# Altium PCB Calipso V2.0 REV2.0 (new origin).PcbDoc (part 1 of 5) (continued)
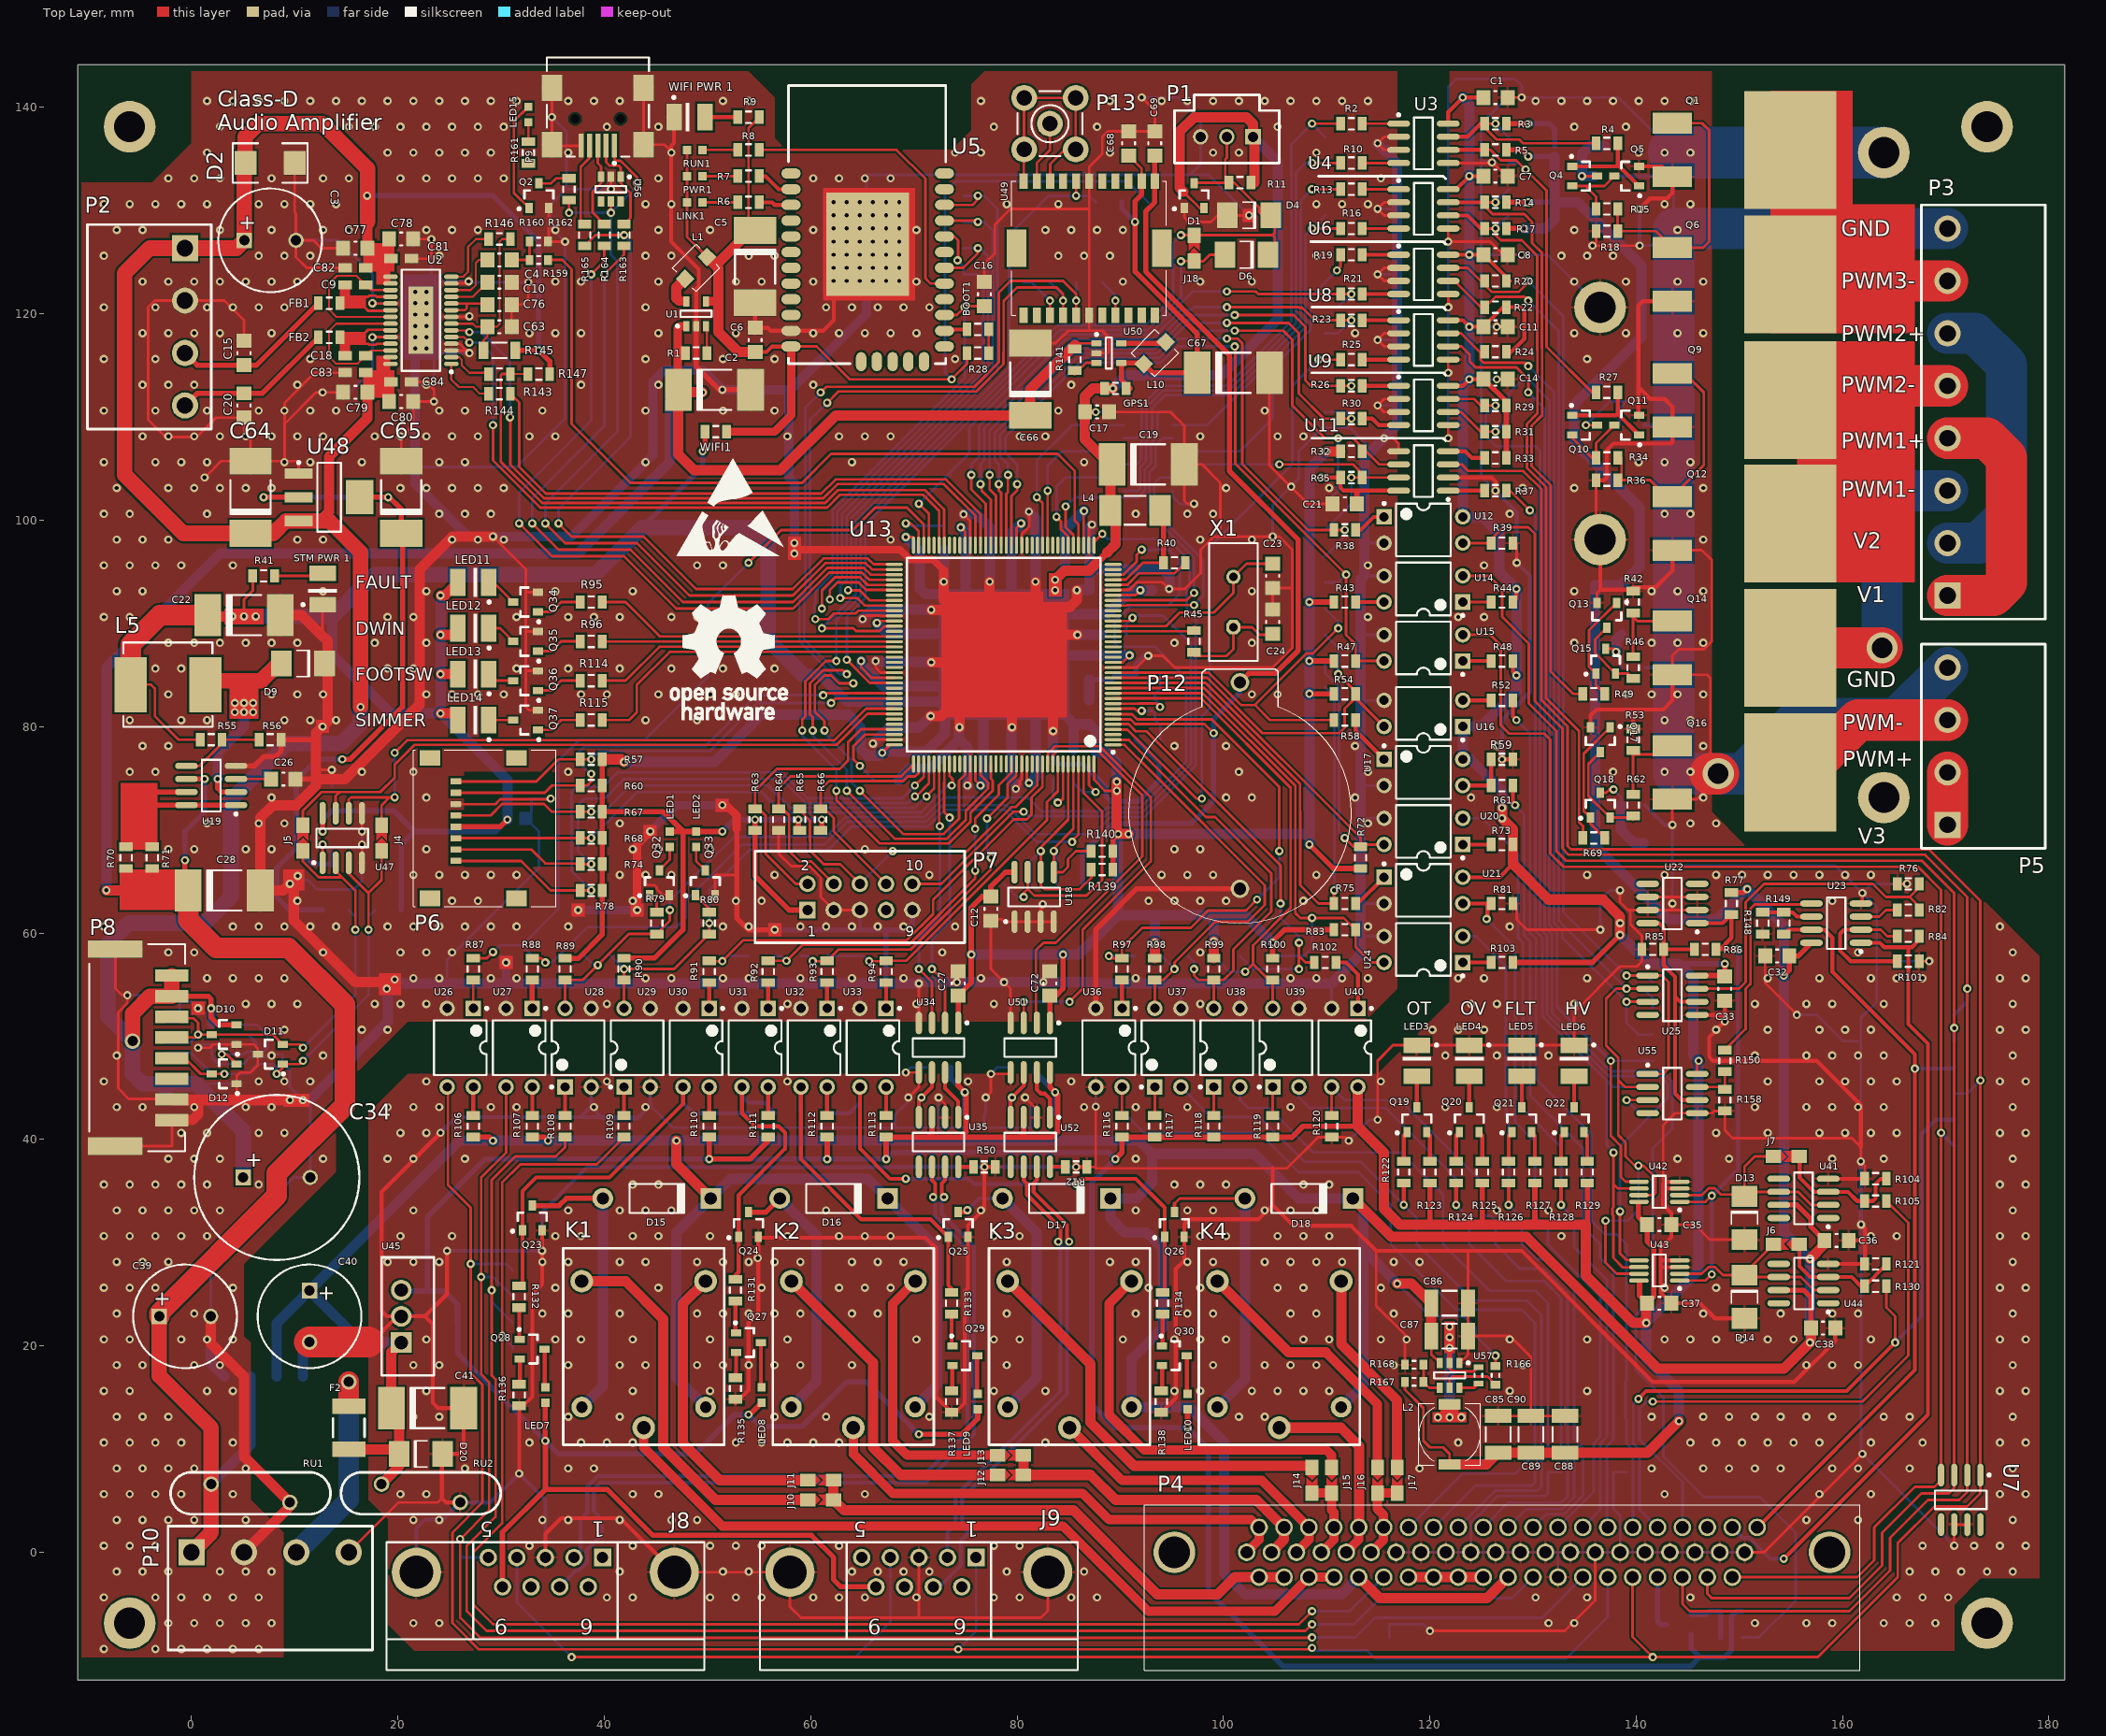
[diagram p0: Top Layer view]
## Components (designator, comment, footprint, x,y, rotation, side; value= is the part's Value field where it differs from the comment) (continued)
D10 "BAT54S" SOT23 3.175,50.165 r180 top
D11 "PESD5V0" SOT23 7.62,48.26 r180 top
D12 "BAT54S" SOT23 3.175,46.355 r180 top
D13 "SMBJ5.0CA" DO-214AS 150.495,32.385 r270 top
D14 "SMBJ5.0CA" DO-214AS 150.495,24.765 r270 top
D15 "Diode 1N4007" DO-41 45.085,34.29 r0 top
D16 "Diode 1N4007" DO-41 62.23,34.29 r0 top
D17 "Diode 1N4007" DO-41 83.82,34.29 r0 top
D18 "Diode 1N4007" DO-41 107.315,34.29 r0 top
D20 "SMBJ5.0CA" DO-214AS 22.225,9.525 r0 top
D21 "BAT54S" SOT23 3.175,50.165 r0 bottom
D22 "PESD5V0" SOT23 7.62,48.26 r0 bottom
D23 "BAT54S" SOT23 3.175,46.355 r180 bottom
F2 "Fuse" PTC1812 15.24,12.065 r90 top
FB1 "Ferrite" RES0805 13.335,121.031 r180 top
FB2 "Ferrite" RES0805 13.335,117.729 r180 top
GPS1 "ChipRes" RES0805 89.535,112.776 r180 top
J4 "Jumper" ? 18.415,69.215 r90 top net-tie
J5 "Jumper" ? 10.795,69.215 r90 top net-tie
J6 "Jumper" ? 154.559,29.845 r180 top net-tie
J7 "Jumper" ? 154.559,38.354 r0 top net-tie
J8 "D Connector 9" DSUB1.385-2H9F 34.29,-11.43 r180 top
J9 "D Connector 9" DSUB1.385-2H9F 70.485,-11.43 r180 top
J10 "Jumper" ? 60.96,5.08 r0 top net-tie
J11 "Jumper" ? 60.96,6.985 r0 top net-tie
J12 "Jumper" ? 79.375,7.493 r0 top net-tie
J13 "Jumper" ? 79.375,9.398 r0 top net-tie
J14 "Jumper" ? 108.585,6.985 r270 top net-tie
J15 "Jumper" ? 110.49,6.985 r270 top net-tie
J16 "Jumper" ? 114.935,6.985 r270 top net-tie
J17 "Jumper" ? 116.84,6.985 r270 top net-tie
J18 "Jumper" ? 97.155,126.365 r90 top net-tie
K1 "Relay 1 pole" G5LA 43.815,12.065 r90 top
K2 "Relay 1 pole" G5LA 64.135,12.065 r90 top
K3 "Relay 1 pole" G5LA 85.09,12.065 r90 top
K4 "Relay 1 pole" G5LA 105.41,12.065 r90 top
L1 "Inductance" CDRH2D14 48.895,124.46 r180 top
L2 "Inductance" CDRH5D28RHP 121.92,11.43 r90 top
L4 "Inductance" CM45 91.44,100.965 r0 top
L5 "Inductance" IHPL-3232 -2.286,84.074 r0 top
L6 "Inductance" CM45 134.493,136.271 r0 bottom
L7 "Inductance" CM45 139.065,113.919 r90 bottom
L8 "Inductance" CM45 140.716,66.294 r270 bottom
L9 "Inductance" CM45 138.557,91.313 r90 bottom
L10 "Inductance" CDRH2D14 93.345,116.205 r0 top
LED1 "LED 0603" "LED 0603" 46.355,69.088 r90 top
LED2 "LED 0603" "LED 0603" 48.895,69.088 r90 top
LED3 "LED 0603" PLCC-2 118.745,47.625 r270 top
LED4 "LED 0603" PLCC-2 123.825,47.625 r270 top
LED5 "LED 0603" PLCC-2 128.905,47.625 r270 top
LED6 "LED 0603" PLCC-2 133.985,47.625 r270 top
LED7 "LED 0603" "LED 0603" 34.29,15.24 r270 top
LED8 "LED 0603" "LED 0603" 55.245,15.24 r270 top
LED9 "LED 0603" "LED 0603" 76.2,14.605 r270 top
LED10 "LED 0603" "LED 0603" 96.52,14.605 r270 top
LED11 "LED 0603" PLCC-2 27.305,93.98 r180 top
LED12 "LED 0603" PLCC-2 27.305,89.535 r180 top
LED13 "LED 0603" PLCC-2 27.305,85.09 r180 top
LED14 "LED 0603" PLCC-2 27.305,80.645 r180 top
LED15 "LED 0603" "LED 0603" 32.639,139.319 r270 top
LINK1 "LED 0603" "LED 0603" 48.768,130.81 r180 top
P1 "Header 3 Latch" "HEADER 3 LATCH" 100.33,137.16 r180 top
P2 "Terminal Block 4x5.08mm" "Socket 4x5.08" -0.635,118.745 r0 top
P3 "Terminal Block 8x5.08mm" "SOCKET 8x5.08" 170.18,110.49 r180 top
P4 "DHR-62M" DHR-62M 127,0 r180 top
P5 "Terminal Block 4x5.08mm" "Socket 4x5.08" 170.18,78.105 r180 top
P6 "Micro SD Card Connector" "WR-CRD SD MICRO" 31.496,76.962 r270 top
P7 "IDC-10MS (JTAG connector)" IDC-10MS(MR) 64.77,63.5 r0 top
P8 "FPC_Socket" "MOLEX HEADER 8 2MM PITCH" -1.905,48.895 r270 top
P9 "mini-USB" USB/SM0.8-6H5 39.37,144.145 r90 top
P10 "Terminal Block 4x5.08mm" "Socket 4x5.08" 7.62,0 r90 top
P11 "FPC_Socket" "MOLEX FPC/FFC 10PIN" -5.08,48.895 r90 bottom
P12 "BH810" BH810 101.6,74.295 r180 top
P13 "SMB" SMB_V-RJ45 83.185,138.43 r90 top
PWR1 "LED 0603" "LED 0603" 48.768,133.35 r180 top
Q1 "IRL640SPBF" TO-263AB 154.94,135.89 r270 top
Q2 "BC847B" SOT23 33.655,131.445 r90 top
Q4 "BC847" SOT23 135.001,133.35 r0 top
Q5 "BC857" SOT23 139.065,133.35 r180 top
Q6 "IRL640SPBF" TO-263AB 154.94,123.825 r270 top
Q9 "IRL640SPBF" TO-263AB 154.94,111.633 r270 top
Q10 "BC847" SOT23 135.001,109.22 r0 top
Q11 "BC857" SOT23 139.065,109.22 r180 top
Q12 "IRL640SPBF" TO-263AB 154.94,99.695 r270 top
Q13 "BC857" SOT23 137.16,90.805 r270 top
Q14 "IRL640SPBF" TO-263AB 154.94,87.63 r270 top
Q15 "BC847" SOT23 137.033,86.36 r90 top
Q16 "IRL640SPBF" TO-263AB 154.94,75.565 r270 top
Q17 "BC857" SOT23 136.525,78.74 r270 top
Q18 "BC847" SOT23 136.525,72.39 r90 top
Q19 "BC857" SOT23 118.745,41.91 r90 top
Q20 "BC857" SOT23 123.825,41.91 r90 top
Q21 "BC857" SOT23 128.905,41.91 r90 top
Q22 "BC857" SOT23 133.985,41.91 r90 top
Q23 "BC847" SOT23 33.02,32.385 r90 top
Q24 "BC847" SOT23 53.975,31.75 r90 top
Q25 "BC847" SOT23 74.295,31.75 r90 top
Q26 "BC847" SOT23 95.25,31.75 r90 top
Q27 "BC847" SOT23 53.975,20.32 r0 top
Q28 "BC847" SOT23 33.02,19.685 r0 top
Q29 "BC847" SOT23 74.93,19.05 r0 top
Q30 "BC847" SOT23 95.25,19.05 r0 top
Q31 "BC857" SOT23 144.145,-6.985 r180 bottom
Q32 "BC847" SOT23 45.339,64.897 r90 top
Q33 "BC847" SOT23 49.784,64.897 r90 top
Q34 "BC847" SOT23 32.385,92.075 r180 top
Q35 "BC847" SOT23 32.385,88.265 r180 top
Q36 "BC847" SOT23 32.385,84.455 r180 top
Q37 "BC847" SOT23 32.385,80.645 r180 top
R1 "RES0805 10K 1%" RES0805 48.895,116.205 r180 top
R2 "RES0805 330R 1%" RES0805 112.395,138.43 r0 top
R3 "RES0805 1K 1%" RES0805 126.365,138.43 r180 top
R4 "RES0805 1K 1%" RES0805 137.16,136.525 r0 top
R5 "RES0805 1K 1%" RES0805 126.365,135.89 r0 top
R6 "RES0805 510R 1%" RES0805 53.975,130.81 r180 top
R7 "RES0805 510R 1%" RES0805 53.975,133.35 r180 top
R8 "RES0805 510R 1%" RES0805 53.975,135.89 r180 top
R9 "RES0805 1K 1%" RES0805 53.975,139.065 r180 top
R10 "RES0805 330R 1%" RES0805 112.395,134.62 r0 top
R11 "RES0805 4K7 1%" RES0805 101.6,132.715 r0 top
R12 "RES0805 1K 1%" RES0805 85.725,37.338 r0 top
R13 "RES0805 330R 1%" RES0805 112.395,132.08 r0 top
R14 "RES0805 1K 1%" RES0805 126.365,130.81 r0 top
R15 "RES0805 1K 1%" RES0805 137.16,130.175 r180 top
R16 "RES0805 330R 1%" RES0805 112.395,128.27 r0 top
R17 "RES0805 1K 1%" RES0805 126.365,128.27 r180 top
R18 "RES0805 10K 1%" RES0805 137.16,128.016 r0 top
R19 "RES0805 330R 1%" RES0805 112.395,125.73 r0 top
R20 "RES0805 510R 1%" RES0805 126.365,123.19 r0 top
R21 "RES0805 330R 1%" RES0805 112.395,121.92 r0 top
R22 "RES0805 510R 1%" RES0805 126.365,120.65 r0 top
R23 "RES0805 330R 1%" RES0805 112.395,119.38 r0 top
R24 "RES0805 510R 1%" RES0805 126.365,116.332 r0 top
R25 "RES0805 330R 1%" RES0805 112.395,115.57 r0 top
R26 "RES0805 330R 1%" RES0805 112.395,113.03 r0 top
R27 "RES0805 1K 1%" RES0805 137.16,112.395 r180 top
R28 "RES0805 4K7 1%" RES0805 76.2,116.205 r180 top
R29 "RES0805 510R 1%" RES0805 126.365,111.125 r0 top
R30 "RES0805 330R 1%" RES0805 112.395,109.855 r0 top
R31 "RES0805 510R 1%" RES0805 126.365,108.585 r0 top
R32 "RES0805 510R 1%" RES0805 112.395,106.68 r0 top
R33 "RES0805 470R 1%" RES0805 126.365,106.045 r180 top
R34 "RES0805 1K 1%" RES0805 137.16,106.045 r180 top
R35 "RES0805 510R 1%" RES0805 112.395,104.14 r180 top
R36 "RES0805 10K 1%" RES0805 137.16,103.886 r0 top
R37 "RES0805 470R 1%" RES0805 126.365,102.87 r0 top
R38 "RES0805 100R 1%" RES0805 111.76,99.06 r0 top
R39 "RES0805 10K 1%" RES0805 127,97.79 r180 top
R40 "RES0805 220R 1%" RES0805 95.25,95.885 r180 top
R41 "RES0805 1K 1%" RES0805 6.985,94.615 r180 top
R42 "RES0805 10K 1%" RES0805 139.7,92.075 r270 top
R43 "RES0805 1K 1%" RES0805 111.76,92.075 r180 top
R44 "RES0805 1K 1%" RES0805 127,92.075 r0 top
R45 "RES0805 220R 1%" RES0805 97.155,88.265 r270 top
R46 "RES0805 1K 1%" RES0805 139.7,85.725 r270 top
R47 "RES0805 1K 1%" RES0805 111.76,86.36 r180 top
R48 "RES0805 510R 1%" RES0805 127,86.36 r0 top
R49 "RES0805 1K 1%" RES0805 135.89,83.185 r180 top
R50 "RES0805 1K 1%" RES0805 76.835,37.338 r0 top
R51 "RES0805 120R 1%" RES0805 38.735,3.175 r0 bottom
R52 "RES0805 220R 1%" RES0805 127,82.55 r0 top
R53 "RES0805 10K 1%" RES0805 139.7,78.74 r270 top
R54 "RES0805 1K 1%" RES0805 111.76,83.185 r180 top
R55 "RES0805 18K 1%" RES0805 1.905,78.74 r180 top
R56 "RES0805 11K 1%" RES0805 7.62,78.74 r180 top
R57 "RES0805 10K 1%" RES0805 38.735,76.835 r0 top
R58 "RES0805 100R 1%" RES0805 111.76,80.645 r0 top
R59 "RES0805 4K7 1%" RES0805 127,76.835 r0 top
R60 "RES0805 10K 1%" RES0805 38.735,74.295 r0 top
R61 "RES0805 100R 1%" RES0805 127,74.295 r0 top
R62 "RES0805 1K 1%" RES0805 139.7,72.39 r270 top
R63 "RES0805 10K 1%" RES0805 54.61,70.993 r90 top
R64 "RES0805 10K 1%" RES0805 56.896,70.993 r90 top
R65 "RES0805 10K 1%" RES0805 58.928,70.993 r90 top
R66 "RES0805 10K 1%" RES0805 60.96,70.993 r90 top
R67 "RES0805 10K 1%" RES0805 38.735,71.755 r0 top
R68 "RES0805 10K 1%" RES0805 38.735,69.215 r0 top
R69 "RES0805 1K 1%" RES0805 135.89,69.215 r0 top
R70 "RES0805 1R2 1%" RES0805 -6.35,67.31 r90 top
R71 "RES0805 1R2 1%" RES0805 -3.81,67.31 r90 top
R72 "RES0805 1K 1%" RES0805 113.284,67.31 r270 top
R73 "RES0805 220R 1%" RES0805 127,68.58 r0 top
R74 "RES0805 10K 1%" RES0805 38.735,66.675 r0 top
R75 "RES0805 100R 1%" RES0805 111.76,62.865 r0 top
R76 "RES0805 47K 1%" RES0805 166.37,64.77 r0 top
R77 "RES0805 1K 1%" RES0805 149.225,62.865 r90 top
R78 "RES0805 10K 1%" RES0805 38.735,64.135 r0 top
R79 "RES0805 1K 1%" RES0805 45.085,60.96 r90 top
R80 "RES0805 1K 1%" RES0805 50.165,60.96 r90 top
R81 "RES0805 4K7 1%" RES0805 127,62.865 r180 top
R82 "RES0805 5K1 1%" RES0805 166.37,62.23 r180 top
R83 "RES0805 1K 1%" RES0805 111.76,60.325 r180 top
R84 "RES0805 10K 1%" RES0805 166.37,59.69 r0 top
R85 "RES0805 5K1 1%" RES0805 141.605,58.42 r0 top
R86 "RES0805 5K1 1%" RES0805 146.685,58.42 r0 top
R87 "RES0805 330R 1%" RES0805 27.305,56.515 r270 top
R88 "RES0805 330R 1%" RES0805 33.021,56.515 r270 top
R89 "RES0805 510R 1%" RES0805 36.195,56.515 r90 top
R90 "RES0805 510R 1%" RES0805 41.911,56.515 r90 top
R91 "RES0805 100R 1%" RES0805 50.166,56.261 r270 top
R92 "RES0805 100R 1%" RES0805 55.881,56.261 r270 top
R93 "RES0805 100R 1%" RES0805 61.596,56.261 r270 top
R94 "RES0805 100R 1%" RES0805 67.311,56.261 r270 top
R95 "RES0805 1K 1%" RES0805 38.735,92.075 r180 top
R96 "RES0805 1K 1%" RES0805 38.735,88.265 r180 top
R97 "RES0805 100R 1%" RES0805 90.17,56.515 r270 top
R98 "RES0805 1K 1%" RES0805 93.345,56.515 r90 top
R99 "RES0805 1K 1%" RES0805 99.06,56.515 r90 top
R100 "RES0805 1K 1%" RES0805 104.775,56.515 r90 top
R101 "RES0805 3K3 1%" RES0805 166.37,57.277 r0 top
R102 "RES0805 100R 1%" RES0805 109.855,57.15 r0 top
R103 "RES0805 220R 1%" RES0805 127,57.15 r0 top
R104 "RES0805 10K 1%" RES0805 163.195,36.195 r180 top
R105 "RES0805 10K 1%" RES0805 163.195,34.036 r180 top
R106 "RES0805 1K 1%" RES0805 27.305,41.275 r270 top
R107 "ChipRes" RES0805 33.021,41.275 r270 top
R108 "RES0805 100R 1%" RES0805 36.195,41.275 r90 top
R109 "RES0805 100R 1%" RES0805 41.911,41.275 r90 top
R110 "RES0805 510R 1%" RES0805 50.165,41.275 r270 top
R111 "RES0805 510R 1%" RES0805 55.88,41.275 r270 top
R112 "RES0805 510R 1%" RES0805 61.595,41.275 r270 top
R113 "RES0805 510R 1%" RES0805 67.31,41.275 r270 top
R114 "RES0805 1K 1%" RES0805 38.735,84.455 r180 top
R115 "RES0805 1K 1%" RES0805 38.735,80.645 r180 top
R116 "RES0805 1K 1%" RES0805 90.17,41.275 r270 top
R117 "RES0805 220R 1%" RES0805 93.345,41.275 r270 top
R118 "RES0805 1K 1%" RES0805 99.06,41.275 r270 top
R119 "RES0805 220R 1%" RES0805 104.775,41.275 r270 top
R120 "RES0805 4K7 1%" RES0805 110.49,41.275 r90 top
R121 "RES0805 10K 1%" RES0805 163.195,27.94 r180 top
R122 "RES0805 1K 1%" RES0805 117.475,36.83 r90 top
R123 "RES0805 510R 1%" RES0805 120.015,36.83 r270 top
R124 "RES0805 1K 1%" RES0805 122.555,36.83 r90 top
R125 "RES0805 510R 1%" RES0805 125.095,36.83 r270 top
R126 "RES0805 1K 1%" RES0805 127.635,36.83 r90 top
R127 "RES0805 510R 1%" RES0805 130.175,36.83 r270 top
R128 "RES0805 1K 1%" RES0805 132.715,36.83 r90 top
R129 "RES0805 510R 1%" RES0805 135.255,36.83 r270 top
R130 "RES0805 10K 1%" RES0805 163.195,25.781 r180 top
R131 "RES0805 1K 1%" RES0805 52.705,25.4 r90 top
R132 "RES0805 1K 1%" RES0805 31.75,24.765 r90 top
R133 "RES0805 1K 1%" RES0805 73.66,24.13 r90 top
R134 "RES0805 1K 1%" RES0805 94.107,24.13 r90 top
R135 "RES0805 220R 1%" RES0805 52.705,15.875 r90 top
R136 "RES0805 220R 1%" RES0805 31.75,15.24 r90 top
R137 "RES0805 220R 1%" RES0805 73.66,14.605 r90 top
R138 "RES0805 220R 1%" RES0805 93.98,14.605 r90 top
R139 "RES0805 10K 1%" RES0805 88.234,66.155 r180 top
R140 "RES0805 10K 1%" RES0805 88.234,67.933 r180 top
R141 "RES0805 10K 1%" RES0805 85.598,115.57 r90 top
R142 "RES0805 120R 1%" RES0805 74.295,1.905 r0 bottom
R143 "RES0805 1K 1%" RES0805 29.845,114.173 r180 top
R144 "RES0805 1K 1%" RES0805 29.845,112.268 r180 top
R145 "RES1206 10R 1%" RES1206 29.845,116.459 r180 top
R146 "RES0805 100K 1%" RES0805 29.845,127.254 r180 top
R147 "RES0805 100K 1%" RES0805 33.655,114.173 r180 top
R148 "RES0805 3K3 1%" RES0805 152.273,60.96 r270 top
R149 "RES0805 10K 1%" RES0805 154.305,60.96 r270 top
R150 "RES0805 5K1 1%" RES0805 148.59,47.625 r90 top
R151 "RES0805 10K 1%" RES0805 93.091,91.821 r270 bottom
R152 "RES0805 10K 1%" RES0805 85.49,76.395 r270 bottom
R153 "RES0805 10K 1%" RES0805 83.49,76.395 r270 bottom
R154 "RES0805 100R 1%" RES0805 130.175,33.655 r270 bottom
R155 "RES0805 100R 1%" RES0805 125.095,33.655 r270 bottom
R156 "RES0805 10K 1%" RES0805 149.225,-5.715 r0 bottom
R157 "RES0805 1K 1%" RES0805 149.225,-8.255 r180 bottom
R158 "RES0805 47K 1%" RES0805 148.59,43.815 r90 top
R159 "RES0603 10K 1%" RES0603 33.655,125.222 r180 top
R160 "RES0603 10K 1%" RES0603 33.655,127 r0 top
R161 "ChipRes 330R 1%" RES0805 32.639,135.636 r90 top
R162 "ChipRes 47K 1%" RES0805 36.576,132.08 r270 top
R163 "ChipRes" RES0805 41.91,127.635 r90 top
R164 "ChipRes" RES0805 40.005,127.635 r90 top
R165 "ChipRes" RES0805 38.1,127.635 r90 top
R166 "ChipRes 47K 1%" RES0603 126.365,17.145 r90 top
R167 "ChipRes 33K2 1%" RES0603 118.491,16.51 r180 top
R168 "ChipRes 10K 1%" RES0603 118.491,18.161 r0 top
RU1 "Varistor S14F25" S14K25 5.715,5.715 r180 top
RU2 "Varistor S14F25" S14K25 22.225,5.715 r180 top
RUN1 "LED 0603" "LED 0603" 48.768,135.89 r180 top
"STM PWR 1" "LED" PLCC-2 12.7,93.345 r90 top
TP1 "Test Point 5x2" PG-1.5-13.5-4P-2.54PH 53.976,57.785 r270 bottom
TP2 "Test Point 5x2" PG-1.5-13.5-4P-2.54PH 53.976,42.545 r270 bottom
TP3 "Test Point 5x2" PG-1.5-13.5-4P-2.54PH 31.115,27.305 r180 bottom
TP4 "Test Point 5x2" PG-1.5-13.5-4P-2.54PH 33.021,57.785 r270 bottom
TP5 "Test Point 5x2" PG-1.5-13.5-6P-2.54PH 91.44,57.785 r270 bottom
TP6 "Test Point 5x2" PG-1.5-13.5-4P-2.54PH 109.855,91.44 r180 bottom
TP7 "Test Point 5x2" PG-1.5-13.5-6P-2.54PH 170.815,52.07 r180 bottom
TP8 "Test Point 5x2" PG-1.5-13.5-6P-2.54PH 116.205,29.845 r270 bottom
TP9 "Test Point 5x2" PG-1.5-13.5-6P-2.54PH 131.445,29.845 r270 bottom
TP10 "Test Point 5x2" PG-1.5-13.5-6P-2.54PH 109.855,123.19 r180 bottom
TP11 "Test Point 5x2" PG-1.5-13.5-4P-2.54PH 109.855,101.6 r180 bottom
TP12 "Test Point 5x2" PG-1.5-13.5-4P-2.54PH 109.855,137.16 r180 bottom
TP13 "Test Point 5x2" PG-1.5-13.5-4P-2.54PH 127.635,137.16 r180 bottom
TP14 "Test Point 5x2" PG-1.5-13.5-4P-2.54PH 10.795,17.018 r90 bottom
TP15 "Test Point 5x2" PG-1.5-13.5-4P-2.54PH 12.7,62.23 r270 bottom
TP16 "Test Point 5x2" PG-1.5-13.5-4P-2.54PH 74.803,123.825 r0 bottom
TP17 "Test Point 5x2" PG-1.5-13.5-4P-2.54PH 88.265,123.063 r90 bottom
TP18 "Test Point 5x2" PG-1.5-13.5-4P-2.54PH 87.63,130.81 r270 bottom
TP20 "Test Point 5x2" PG-1.5-13.5-4P-2.54PH 78.74,64.77 r270 bottom
TP21 "Test Point 5x2" PG-1.5-13.5-6P-2.54PH 141.605,55.245 r180 bottom
U1 "LM3671" SOT23-5 48.895,120.015 r90 top
U2 "TPA3112D1" TSSOP-28 22.225,119.38 r180 top
U3 "HCPL0631" SOIC8 119.38,136.525 r0 top
U4 "HCPL0631" SOIC8 119.38,130.175 r0 top
U5 "SPWF01SA" SPWF01SA 65.532,129.032 r90 top
U6 "HCPL0631" SOIC8 119.38,123.825 r0 top
U7 "ESDA6V1U1" SOP8 171.45,5.08 r270 top
U8 "HCPL0631" SOIC8 119.38,117.475 r0 top
U9 "HCPL0631" SOIC8 119.38,111.125 r0 top
U10 "ESDA6V1U1" SOP8 138.43,10.16 r270 bottom
U11 "HCPL0631" SOIC8 119.38,104.775 r180 top
U12 "Optoisolator1" DIP-4 119.38,99.06 r0 top
U13 "STM32F407" LQFP144 78.709,86.983 r180 top
U14 "Optoisolator1" DIP-4 119.38,93.345 r180 top
U15 "Optoisolator1" DIP-4 119.38,87.63 r180 top
U16 "Optoisolator1" DIP-4 119.38,81.28 r180 top
U17 "Optoisolator1" DIP-4 119.38,75.565 r0 top
U18 "M24256" SOIC8 81.661,63.5 r90 top
U19 "MC34063" SOP8 1.905,74.295 r180 top
U20 "Optoisolator1" DIP-4 119.38,69.85 r180 top
U21 "Optoisolator1" DIP-4 119.38,64.135 r0 top
U22 "TL431ACD" SOIC8 143.51,62.865 r180 top
U23 "LM358AD" SOIC8 159.385,60.96 r180 top
U24 "Optoisolator1" DIP-4 119.38,58.42 r180 top
U25 "TLC6515CD" SOIC8 143.51,53.975 r0 top
U26 "Optoisolator1" DIP-4 26.035,48.895 r270 top
U27 "Optoisolator1" DIP-4 31.751,48.895 r270 top
U28 "Optoisolator1" DIP-4 37.465,48.895 r90 top
U29 "Optoisolator1" DIP-4 43.181,48.895 r90 top
U30 "Optoisolator1" DIP-4 48.895,48.895 r270 top
U31 "Optoisolator1" DIP-4 54.61,48.895 r270 top
U32 "Optoisolator1" DIP-4 60.325,48.895 r270 top
U33 "Optoisolator1" DIP-4 66.04,48.895 r270 top
U34 "HCPL-0931" SOIC8 72.391,48.895 r270 top
U35 "MCP2551" SOIC8 72.391,39.751 r270 top
U36 "Optoisolator1" DIP-4 88.9,48.895 r270 top
U37 "Optoisolator1" DIP-4 94.615,48.895 r90 top
U38 "Optoisolator1" DIP-4 100.33,48.895 r90 top
U39 "Optoisolator1" DIP-4 106.045,48.895 r90 top
U40 "Optoisolator1" DIP-4 111.76,48.895 r270 top
U41 "MCP601" SOIC8 156.21,34.29 r180 top
U42 "MCP3201-CI/MS" MSOP8 142.24,34.925 r180 top
U43 "MCP3201-CI/MS" MSOP8 142.24,27.305 r180 top
U44 "MCP601" SOIC8 156.21,26.035 r180 top
U45 "LM7805" TO-220 20.32,22.86 r90 top
U46 "SN74AC04D" D014_N 92.71,106.68 r180 bottom
U47 "HCPL-0931" SOIC8 14.605,69.215 r90 top
U48 "LM1117" SOT223-4M 13.335,102.235 r0 top
U49 "ML8088s" ML8088S 86.995,126.365 r90 top
U50 "LM3671" SOT23-5 88.9,116.205 r0 top
U51 "HCPL-0931" SOIC8 81.28,48.895 r270 top
U52 "MCP2551" SOIC8 81.28,39.751 r270 top
U53 "ESDA6V1U1" SOP8 132.08,10.16 r270 bottom
U54 "ESDA6V1U1" SOP8 113.665,-7.62 r0 bottom
U55 "TLC6515CD" SOIC8 143.51,44.45 r0 top
U56 "SRV05" SOT23-6 40.64,132.08 r270 top
U57 "TPS563200" SOT23-6 121.92,17.145 r270 top
WIFI1 "ChipRes" RES0805 50.8,108.585 r180 top
"WIFI PWR 1" "LED" PLCC-2 48.26,139.065 r0 top
X1 "XTAL" BCY-W2/E4.7 100.965,92.075 r90 top
X2 "XTAL" KX-327NHT 93.345,81.915 r90 bottom

## Footprints (in the part's own frame and the unit in brackets; to place one, negate y for a bottom-side part, rotate by r counter-clockwise, add the part's x,y. Pads: shape width x height; smd on the part's side, far side on the other; paste and mask are expansions set on the pad)
BCY-W2/E4.7 [mm] "Quartz Crystal, Thru-Hole; 2 Leads; Body 11.35 x 4.65 x 13.46 mm (LxWxH max)"
  oct 1.4x1.4 hole 0.8: 1(-2.44,0)
  round 1.4 hole 0.8: 2(2.44,0)
  silkscreen extent -5.7,-2.35 5.7,2.35, body extent -5.67,-2.32 5.68,2.33, height 3.6
BH810 [mm] "Battery Holder"
  round 1.8 hole 1.2: 1(0,10) 2(0,-10)
  silkscreen extent -10.79,-11.3 10.79,13.33, body extent -11,-11.21 11,13.29, height 8.5
CAP0603#1 [mm]
  rect 1.3x0.9 smd: 1(-1,0) 2(1,0)
  body extent -1.15,-0.4 1.15,0.4, height 0.55
CAP0603#2 [mm] "Chip Capacitor, 2-Leads, Body 1.60x0.80mm, IPC Medium Density"
  rect 0.55x0.95 smd: 1(-0.8,0) 2(0.8,0)
  silkscreen extent -0.15,-0.38 0.15,0.38, body extent -0.85,-0.45 0.85,0.45, height 0.8
CAP0805 [mm]
  rect 1.35x1.45 smd: 1(-1.175,0) 2(1.175,0)
  silkscreen extent -0.1,-0.63 0.1,0.63, body extent -1,-0.62 1,0.63, height 0.3
CAP1210 [mm]
  rect 1.35x2.6 smd: 1(-1.775,0) 2(1.775,0)
  silkscreen extent -0.7,-1.2 0.7,1.2, body extent -2,-1.25 2,1.25, height 0.55
CAPC7343 [mm] "Chip Capacitor, Body 7.3x4.3mm, IPC Medium Density"
  rect 2.6x4.1 smd: 1(-3.5,0) 2(3.5,0)
  silkscreen extent -1.65,-1.95 1.65,1.95, body extent -3.8,-2.3 3.8,2.3, height 3.1
CAPPR5-10x17_1 [mm] "Capacitor, Electrolytic, Radial; Body 10 x 17 mm (Dia.xH typ); Pin Spacing 5 mm (typ)"
  rect 1.5x1.5 hole 1: 1(-2.5,0)
  round 1.5 hole 1: 2(2.5,0)
  silkscreen extent -5.02,-5.02 5.03,5.02, body extent -5.03,-5 5.03,5.05, height 13.03
CAPPR5-10X17_1 [mm] "Capacitor, Electrolytic, Radial; Body 10 x 17 mm (Dia.xH typ); Pin Spacing 5 mm (typ)"
  rect 1.5x1.5 hole 1: 1(-2.5,0)
  round 1.5 hole 1: 2(2.5,0)
  silkscreen extent -5.02,-5.02 5.03,5.02, body extent -5.03,-5 5.03,5.05, height 13.03
CAPPR7.5-16X25_1 [mm] "Capacitor, Electrolytic, Radial; Body 16 x 25 mm (Dia.xH typ); Pin Spacing 7.5 mm (typ)"
  rect 1.5x1.5 hole 1: 1(-3.25,0)
  round 1.5 hole 1: 2(3.25,0)
  silkscreen extent -8,-8 8,8
CDRH2D14 [mm] "SMD Power Inductor"
  rect 1.3x1.3 smd rot 45: 1(-1.061,-1.061) 2(1.061,1.061)
  silkscreen extent -2.29,-2.29 2.29,2.29, body extent -1.54,-1.54 1.54,1.54, height 2
CDRH5D28RHP [mm] "ChipInductance"
  rect 1x2.1 smd: 1(-2.9,0) 2(2.9,0)
  silkscreen extent -3,-3 3,3, body extent -3,-3 3,3, height 2.9
CM45 [mm]
  rect 2.1x2.99 smd: 1(-2.405,0) 2(2.405,0)
  silkscreen extent -1,-1.39 1,1.4, body extent -3,-1.5 3,1.5, height 0.55
D014_N [mm] "14-Pin Small Outline Integrated Circuit 1.27 mm Pitch, IPC Medium Density"
  oval 2.2x0.6 smd: 1(-2.4,3.81) 2(-2.4,2.54) 3(-2.4,1.27) 4(-2.4,0) 5(-2.4,-1.27) 6(-2.4,-2.54) 7(-2.4,-3.81) 8(2.4,-3.81) 9(2.4,-2.54) 10(2.4,-1.27) 11(2.4,0) 12(2.4,1.27) 13(2.4,2.54) 14(2.4,3.81)
  silkscreen extent -2.53,-4.4 0.9,4.78, body extent -3,-4.37 3,4.38, height 1.75
DHR-62M [mm]
  round 1.7 hole 1.2: 1(23.54,-2.41) 2(21.127,-2.41) 3(18.714,-2.41) 4(16.301,-2.41) 5(13.888,-2.41) 6(11.475,-2.41) 7(9.062,-2.41) 8(6.649,-2.41) 9(4.236,-2.41) 10(1.823,-2.41) 11(-0.59,-2.41) 12(-3.003,-2.41) 13(-5.416,-2.41) 14(-7.829,-2.41) 15(-10.242,-2.41) 16(-12.655,-2.41) 17(-15.068,-2.41) 18(-17.481,-2.41) 19(-19.894,-2.41) 20(-22.307,-2.41) 21(-24.72,-2.41) 22(24.75,0) 23(22.337,0) 24(19.924,0) 25(17.511,0) 26(15.098,0) 27(12.685,0) 28(10.272,0) 29(7.859,0) 30(5.446,0) 31(3.033,0) 32(0.62,0) 33(-1.793,0) 34(-4.206,0) 35(-6.619,0) 36(-9.032,0) 37(-11.445,0) 38(-13.858,0) 39(-16.271,0) 40(-18.684,0) 41(-21.097,0) 42(-23.51,0) 43(23.54,2.413) 44(21.127,2.413) 45(18.714,2.413) 46(16.301,2.413) 47(13.888,2.413) 48(11.475,2.413) 49(9.062,2.413) 50(6.649,2.413) 51(4.236,2.413) 52(1.823,2.413) 53(-0.59,2.413) 54(-3.003,2.413) 55(-5.416,2.413) 56(-7.829,2.413) 57(-10.242,2.413) 58(-12.655,2.413) 59(-15.068,2.413) 60(-17.481,2.413) 61(-19.894,2.413) 62(-22.307,2.413)
  round 4.05 hole 3.05 unplated: 63(31.75,0) 64(-31.75,0)
  silkscreen extent -34.67,-4.58 34.67,11.43, body extent -34.7,-4.58 34.7,17.62, height 12.56
DIP-4 [mm] "DIP; 4 Leads; Row Spacing 7.62 mm; Pitch 2.54 mm"
  rect 1.5x1.5 hole 0.9: 1(-3.81,1.27)
  round 1.5 hole 0.9: 2(-3.81,-1.27) 3(3.81,-1.27) 4(3.81,1.27)
  silkscreen extent -3.93,-2.55 2.65,2.69, body extent -3.94,-2.3 3.94,2.3, height 4.3
DO-41 [mm] "Diode, Axial; Body 5.2 x 2.7 mm (LxDia. max), Lead Dia. 0.86 mm (max)"
  round 2 hole 1.2: 1(-5.23,0)
  rect 2x2 hole 1.2: 2(5.23,0)
  silkscreen extent -2.65,-1.4 2.75,1.4
DO-214AS [mm]
  rect 2x2.5 smd: 1(-2.1,0) 2(2.1,0)
  silkscreen extent -0.64,-1.27 0.64,1.27, body extent -2.74,-1.4 2.74,1.4, height 2.3
DSUB1.385-2H9F [mm] "Connector; D Subminiature; 9 Position; Right Angle; Pitch 1.385 mm"
  rect 1.69x1.69 hole 1.09: 1(-5.54,-10.92)
  round 1.69 hole 1.09: 2(-2.77,-10.92) 3(0,-10.92) 4(2.77,-10.92) 5(5.54,-10.92) 6(-4.155,-8.08) 7(-1.385,-8.08) 8(1.385,-8.08) 9(4.155,-8.08)
  round 4.76 hole 3.26: 10(-12.495,-9.5) 11(12.495,-9.5)
  silkscreen extent -15.4,-12.4 15.4,0, body extent -15.41,-12.5 15.4,5.8, height 12.56
G5LA [mm] "Cubic, Single-pole 10A Power Relay"
  round 2.2 hole 1.3: 1(0,0) 3(14.2,6) 4(14.2,-6)
  round 2 hole 1.1: 2(2,6) 5(2,-6)
  silkscreen extent -1.65,-7.8 17.4,7.8, body extent -1.59,-7.95 17.91,7.95, height 15
"HEADER 3 LATCH" [mm]
  rect 1.5x1.5 hole 1: 1(-2.54,0)
  round 1.5 hole 1: 2(0,0) 3(2.54,0)
  silkscreen extent -5.08,-4.06 5.08,2.54, body extent -5.08,-4.06 5.08,2.54, height 13.6
IDC-10MS(MR) [mm]
  rect 1.6x1.6 hole 1: 1(-5.08,-1.27)
  round 1.6 hole 1: 2(-5.08,1.27) 3(-2.54,-1.27) 4(-2.54,1.27) 5(0,-1.27) 6(0,1.27) 7(2.54,-1.27) 8(2.54,1.27) 9(5.08,-1.27) 10(5.08,1.27)
  silkscreen extent -10.16,-4.44 10.16,4.44, body extent -10.2,-4.44 10.2,4.9, height 9.41
IHPL-3232 [mm] "Low Profile, High Current IHPL Inductor"
  rect 3.125x5.334 smd: 1(-3.613,0) 2(3.613,0)
  silkscreen extent -4.32,-4.09 4.32,4.09, body extent -4.32,-4.09 4.32,4.09, height 4
KX-327NHT [mm] "Quartz Crystal 32.768KHz"
  rect 1x1.8 smd: 1(-1.25,0) 2(1.25,0)
  silkscreen extent -0.35,-0.8 0.35,0.8, body extent -1.6,-0.75 1.6,0.75, height 0.71
"LED 0603" [mm]
  rect 0.8x0.8 smd: 1(-0.75,0) 2(0.75,0)
  body extent -0.85,-0.45 0.85,0.45, height 0.9
LQFP144 [mm] "TSQFP, 144-Leads, Body 20.00x20.00mm, Pitch 0.50mm, IPC Medium Density"
  oval 1.65x0.3 smd: 1(-10.6,8.75) 2(-10.6,8.25) 3(-10.6,7.75) 4(-10.6,7.25) 5(-10.6,6.75) 6(-10.6,6.25) 7(-10.6,5.75) 8(-10.6,5.25) 9(-10.6,4.75) 10(-10.6,4.25) 11(-10.6,3.75) 12(-10.6,3.25) 13(-10.6,2.75) 14(-10.6,2.25) 15(-10.6,1.75) 16(-10.6,1.25) 17(-10.6,0.75) 18(-10.6,0.25) 19(-10.6,-0.25) 20(-10.6,-0.75) 21(-10.6,-1.25) 22(-10.6,-1.75) 23(-10.6,-2.25) 24(-10.6,-2.75) 25(-10.6,-3.25) 26(-10.6,-3.75) 27(-10.6,-4.25) 28(-10.6,-4.75) 29(-10.6,-5.25) 30(-10.6,-5.75) 31(-10.6,-6.25) 32(-10.6,-6.75) 33(-10.6,-7.25) 34(-10.6,-7.75) 35(-10.6,-8.25) 36(-10.6,-8.75) 73(10.6,-8.75) 74(10.6,-8.25) 75(10.6,-7.75) 76(10.6,-7.25) 77(10.6,-6.75) 78(10.6,-6.25) 79(10.6,-5.75) 80(10.6,-5.25) 81(10.6,-4.75) 82(10.6,-4.25) 83(10.6,-3.75) 84(10.6,-3.25) 85(10.6,-2.75) 86(10.6,-2.25) 87(10.6,-1.75) 88(10.6,-1.25) 89(10.6,-0.75) 90(10.6,-0.25) 91(10.6,0.25) 92(10.6,0.75) 93(10.6,1.25) 94(10.6,1.75) 95(10.6,2.25) 96(10.6,2.75) 97(10.6,3.25) 98(10.6,3.75) 99(10.6,4.25) 100(10.6,4.75) 101(10.6,5.25) 102(10.6,5.75) 103(10.6,6.25) 104(10.6,6.75) 105(10.6,7.25) 106(10.6,7.75) 107(10.6,8.25) 108(10.6,8.75)
  oval 0.3x1.65 smd: 37(-8.75,-10.6) 38(-8.25,-10.6) 39(-7.75,-10.6) 40(-7.25,-10.6) 41(-6.75,-10.6) 42(-6.25,-10.6) 43(-5.75,-10.6) 44(-5.25,-10.6) 45(-4.75,-10.6) 46(-4.25,-10.6) 47(-3.75,-10.6) 48(-3.25,-10.6) 49(-2.75,-10.6) 50(-2.25,-10.6) 51(-1.75,-10.6) 52(-1.25,-10.6) 53(-0.75,-10.6) 54(-0.25,-10.6) 55(0.25,-10.6) 56(0.75,-10.6) 57(1.25,-10.6) 58(1.75,-10.6) 59(2.25,-10.6) 60(2.75,-10.6) 61(3.25,-10.6) 62(3.75,-10.6) 63(4.25,-10.6) 64(4.75,-10.6) 65(5.25,-10.6) 66(5.75,-10.6) 67(6.25,-10.6) 68(6.75,-10.6) 69(7.25,-10.6) 70(7.75,-10.6) 71(8.25,-10.6) 72(8.75,-10.6) 109(8.75,10.6) 110(8.25,10.6) 111(7.75,10.6) 112(7.25,10.6) 113(6.75,10.6) 114(6.25,10.6) 115(5.75,10.6) 116(5.25,10.6) 117(4.75,10.6) 118(4.25,10.6) 119(3.75,10.6) 120(3.25,10.6) 121(2.75,10.6) 122(2.25,10.6) 123(1.75,10.6) 124(1.25,10.6) 125(0.75,10.6) 126(0.25,10.6) 127(-0.25,10.6) 128(-0.75,10.6) 129(-1.25,10.6) 130(-1.75,10.6) 131(-2.25,10.6) 132(-2.75,10.6) 133(-3.25,10.6) 134(-3.75,10.6) 135(-4.25,10.6) 136(-4.75,10.6) 137(-5.25,10.6) 138(-5.75,10.6) 139(-6.25,10.6) 140(-6.75,10.6) 141(-7.25,10.6) 142(-7.75,10.6) 143(-8.25,10.6) 144(-8.75,10.6)
  silkscreen extent -10.73,-9.38 9.38,9.57, body extent -11.07,-11.07 11.08,11.08, height 1.6
ML8088S [mm] "GPS, GLONASS, GALILEO Receiver"
  rect 1.5x0.8 smd: 1(-6.5,6.35) 2(-6.5,5.08) 3(-6.5,3.81) 4(-6.5,2.54) 5(-6.5,1.27) 6(-6.5,0) 7(-6.5,-1.27) 8(-6.5,-2.54) 9(-6.5,-3.81) 10(-6.5,-5.08) 11(-6.5,-6.35) 12(6.5,-6.35) 13(6.5,-5.08) 14(6.5,-3.81) 15(6.5,-2.54) 16(6.5,-1.27) 17(6.5,0) 18(6.5,1.27) 19(6.5,2.54) 20(6.5,3.787) 21(6.5,5.08) 22(6.5,6.35)
  rect 3.65x1.9 smd: 23(0,7.05) 24(0,-7.05)
  silkscreen extent -6.5,-7.49 6.5,7.5
"MOLEX FPC/FFC 10PIN" [mm] "Molex FPC/FFC 10pin Non-ZIF Connector 10pin"
  rect 0.6x1.9 smd: 1(-4.5,2.54) 2(-3.5,2.54) 3(-2.5,2.54) 4(-1.5,2.54) 5(-0.5,2.54) 6(0.5,2.54) 7(1.5,2.54) 8(2.5,2.54) 9(3.5,2.54) 10(4.5,2.54)
  rect 2.1x2.8 smd: 11(-7.65,0.19) 12(7.65,0.19)
  silkscreen extent -8.25,-3.56 8.13,2.03, body extent -8.15,-3.53 8.15,3.27, height 3.1
"MOLEX HEADER 8 2MM PITCH" [mm]
  rect 1.2x3.2 smd: 1(-6.985,0) 2(-4.985,0) 3(-2.985,0) 4(-0.985,0) 5(1.015,0) 6(3.015,0) 7(5.015,0) 8(7.015,0)
  rect 1.7x5.3 smd: 9(-9.55,-5.48) 10(9.55,-5.48)
  silkscreen extent -10.03,-8 10.03,1.27, body extent -10,-8.07 10,1.33, height 6.41
MSOP8 [mm] "Surface mounted, 8 pin package"
  oval 1.9x0.41 smd: 1(-1.975,0.975) 2(-1.975,0.325) 3(-1.975,-0.325) 4(-1.975,-0.975) 5(1.975,-0.975) 6(1.975,-0.325) 7(1.975,0.325) 8(1.975,0.975)
  silkscreen extent -2.1,-1.55 0.63,1.87, body extent -2.45,-1.5 2.45,1.5, height 1.15
PG-1.5-13.5-4P-2.54PH [mm]
  round 1.27 smd paste-2: 1(0,0) 2(0,-2.54) 3(0,-5.08) 4(0,-7.62)
PG-1.5-13.5-6P-2.54PH [mm]
  round 1.27 smd paste-2: 1(0,0) 2(0,-2.54) 3(0,-5.08) 4(0,-7.62) 5(0,-10.16) 6(0,-12.7)
PLCC-2 [mm]
  rect 1.5x2.6 smd: 1(-1.5,0) 2(1.5,0)
  silkscreen extent -1.65,-1.4 0,2.03, body extent -1.75,-1.4 1.75,1.4, height 1.91
PTC1812 [mm] "Fuse PTC Thermoresistor"
  rect 1.5x3.2 smd: 1(-2.1,0) 2(2.1,0)
  silkscreen extent -0.89,-1.52 0.89,1.52, body extent -2.25,-1.6 2.25,1.6, height 0.68
RES0603 [mm] "Chip Resistor, 2-Leads, Body 1.60x0.85mm, IPC Medium Density"
  rect 0.75x0.95 smd: 1(-0.9,0) 2(0.9,0)
  silkscreen extent -0.15,-0.38 0.15,0.38, body extent -0.84,-0.42 0.8,0.42, height 0.46
RES0805 [mm] "Chip Resistor, 2-Leads, Body 2.00x1.27mm, IPC Medium Density"
  rect 0.85x1.3 smd: 1(-1.05,0) 2(1.05,0)
  silkscreen extent -0.25,-0.55 0.25,0.55, body extent -1.15,-0.67 1.15,0.68, height 0.76
RES1206 [mm] "Chip Resistor, 2-Leads, Body 3.10x1.60mm, IPC Medium Density"
  rect 0.95x1.7 smd: 1(-1.55,0) 2(1.55,0)
  silkscreen extent -0.7,-0.75 0.7,0.75, body extent -1.67,-0.86 1.68,0.87, height 0.85
S14K25 [mm] "Varistor"
  round 1.5 hole 1: 1(-3.81,0.889) 2(3.81,-0.889)
  silkscreen extent -7.75,-2.03 7.75,2.03, body extent -7.75,-2.1 7.75,2.1, height 18.5
SMB1 [mm] "SMBJ"
  rect 2.1x2.3 smd: 1(-2.375,0) 2(2.375,0)
  silkscreen extent -3.62,-1.91 3.62,1.91, body extent -2.7,-1.8 2.7,1.8, height 2.3
SMB_V-RJ45 [mm] "Connector; SMB Straight"
  round 2.5 hole 1.5: 1(0,0) 2(-2.5,-2.5) 2(-2.5,2.5) 2(2.5,-2.5) 2(2.5,2.5)
  silkscreen extent -3.15,-3.15 3.15,3.15
"Socket 4x5.08" [mm]
  rect 2.54x2.54 hole 1.6: 1(0,7.62)
  round 2.54 hole 1.6: 2(0,2.54) 3(0,-2.54) 4(0,-7.62)
  silkscreen extent -9.46,-9.91 2.54,9.91, body extent -9.97,-10.16 2.03,10.16, height 8.5
"SOCKET 8x5.08" [mm]
  rect 2.54x2.54 hole 1.6: 1(0,17.78)
  round 2.54 hole 1.6: 2(0,12.7) 3(0,7.62) 4(0,2.54) 5(0,-2.54) 6(0,-7.62) 7(0,-12.7) 8(0,-17.78)
  silkscreen extent -9.46,-20.07 2.54,20.07, body extent -9.97,-20.32 2.03,20.32, height 8.5
SOIC8 [mm] "SOIC, 8-Leads, Body 4,90x3,90mm, Pitch 1,27mm, IPC Medium Density"
  oval 2.2x0.6 smd: 1(-2.4,1.905) 2(-2.4,0.635) 3(-2.4,-0.635) 4(-2.4,-1.905) 5(2.4,-1.905) 6(2.4,-0.635) 7(2.4,0.635) 8(2.4,1.905)
  silkscreen extent -2.52,-2.5 0.9,2.88, body extent -3,-2.45 3,2.45, height 1.61
SOP8 [mm] "SOIC, 8-Leads, Body 4,90x3,90mm, Pitch 1,27mm, IPC Medium Density"
  oval 2.2x0.6 smd: 1(-2.4,1.905) 2(-2.4,0.635) 3(-2.4,-0.635) 4(-2.4,-1.905) 5(2.4,-1.905) 6(2.4,-0.635) 7(2.4,0.635) 8(2.4,1.905)
  silkscreen extent -2.52,-2.5 0.9,2.88, body extent -2.99,-2.45 3,2.45, height 1.61
SOT23 [mm]
  rect 1x0.7 smd: 1(-1.2,0.95) 2(-1.2,-0.95) 3(1.2,0)
  silkscreen extent -1.4,-1.4 0.51,2.03, body extent -1.25,-1.5 1.25,1.5, height 1.09
SOT23-5 [mm] "SOT23, 5-Leads, Body 2.90x2.45mm, Pitch 0.95mm, IPC Medium Density"
  rect 1x0.6 smd: 1(-1.2,0.95) 2(-1.2,0) 3(-1.2,-0.95) 4(1.2,-0.95) 5(1.2,0.95)
  silkscreen extent -1.32,-1.5 0.3,1.92, body extent -1.4,-1.45 1.4,1.45, height 1.24
SOT23-6 [mm] "SOT23, 5-Leads, Body 2.90x2.45mm, Pitch 0.95mm, IPC Medium Density"
  rect 1x0.6 smd: 1(-1.2,0.95) 2(-1.2,0) 3(-1.2,-0.95) 4(1.2,-0.95) 5(1.2,0) 6(1.2,0.95)
  silkscreen extent -1.32,-1.5 0.3,1.93, body extent -1.4,-1.45 1.4,1.45, height 1.24
SOT223-4M [mm] "SOT223, 4-Leads, Body 6.5x3.5mm, Pitch 2.3mm, Lead Span 7mm, IPC Low Density"
  rect 2.7x1 smd: 1(-2.95,2.3) 2(-2.95,0) 3(-2.95,-2.3)
  rect 2.7x3.3 smd: 4(2.95,0)
  silkscreen extent -3.07,-3.35 1.14,3.47, body extent -3.5,-3.25 3.5,3.25, height 1.7
SPWF01SA [mm]
  rrect100% 1x1.85 smd: 1(-12.192,-7.435) 2(-10.668,-7.435) 3(-9.144,-7.435) 4(-7.62,-7.435) 5(-6.096,-7.435) 6(-4.572,-7.435) 7(-3.048,-7.435) 8(-1.524,-7.435) 9(0,-7.435) 10(1.524,-7.435) 11(3.048,-7.435) 12(4.572,-7.435) 13(4.572,7.435) 14(3.048,7.435) 15(1.524,7.435) 16(0,7.435) 17(-1.524,7.435) 18(-3.048,7.435) 19(-4.572,7.435) 20(-6.096,7.435) 21(-7.62,7.435) 22(-9.144,7.435) 23(-10.668,7.435) 24(-12.192,7.435)
  rect 10x8 smd: 25(-2.292,0)
  rrect100% 1.85x1 smd: 26(-13.662,0.641) 27(-13.662,-0.883) 28(-13.662,-2.407) 29(-13.662,-3.931) 30(-13.662,-5.455)
  silkscreen extent -13.84,-7.56 13.08,7.68, body extent -13.84,-7.56 13.08,7.68, height 2.35
TO-220 [mm] "TO-220 Vertical Mount"
  rect 2x2 hole 1.3: 1(-2.54,0)
  round 2 hole 1.3: 2(0,0) 3(2.54,0)
  silkscreen extent -5.71,-3.18 5.71,1.91, body extent -5.33,-3.18 5.33,1.65, height 22.62
TO-263AB [mm]
  rect 2.03x3.81 smd: 1(-2.595,-11.43) 3(2.595,-11.43)
  rect 11.43x8.89 smd: 2(0,0)
  body extent -5,-12.61 5,3.06, height 4.81
TSSOP-28 [mm] "TSOP, 28-Leads, Body 9.70x4.40mm, Pitch 0.65mm, Thermal Pad 6.17x2.40mm, IPC Medium Density"
  oval 1.4x0.45 smd: 1(-2.95,4.225) 2(-2.95,3.575) 3(-2.95,2.925) 4(-2.95,2.275) 5(-2.95,1.625) 6(-2.95,0.975) 7(-2.95,0.325) 8(-2.95,-0.325) 9(-2.95,-0.975) 10(-2.95,-1.625) 11(-2.95,-2.275) 12(-2.95,-2.925) 13(-2.95,-3.575) 14(-2.95,-4.225) 15(2.95,-4.225) 16(2.95,-3.575) 17(2.95,-2.925) 18(2.95,-2.275) 19(2.95,-1.625) 20(2.95,-0.975) 21(2.95,-0.325) 22(2.95,0.325) 23(2.95,0.975) 24(2.95,1.625) 25(2.95,2.275) 26(2.95,2.925) 27(2.95,3.575) 28(2.95,4.225)
  rect 2.4x6.5 smd: 29(0,0)
  silkscreen extent -3.08,-4.9 1.85,5.12, body extent -2.25,-4.9 2.25,4.9, height 1.2
USB/SM0.8-6H5 [mm] "Connector; USB2.0, Type B, SM; 5 Position; Right Angle"
  rect 2.3x0.5 smd: 1(-7.85,-1.6) 2(-7.85,-0.8) 3(-7.85,0) 4(-7.85,0.8) 5(-7.85,1.6)
  rect 2.5x2 smd: 6(-7.75,4.45) 7(-2.25,4.45) 8(-7.75,-4.45) 9(-2.25,-4.45)
  round 0.6 hole 0.9 unplated: MH1(-5.25,2.2) MH2(-5.25,-2.2)
  silkscreen extent -9.67,-4.95 0.7,4.95, body extent -8.63,-5.35 0.57,5.35, height 3.95
"WR-CRD SD MICRO" [mm] "WR-CRD SD Micro Header 8"
  rect 1.5x2 smd: 0(0,0) 0(0,-8.4) 0(13.6,0) 0(13.6,-8.4)
  rect 0.6x1.05 smd: 1(2.27,-5.87) 2(3.37,-5.87) 3(4.47,-5.87) 4(5.57,-5.87) 5(6.67,-5.87) 6(7.77,-5.87) 7(8.87,-5.87) 8(9.97,-5.87)
  silkscreen extent -0.8,-10 14.4,3.8, body extent -0.5,-9.9 14.1,3.8, height 1.77
? [mm]
  rect 1.5x1.25 smd: 0(-1.25,0) 1(1.25,0)
  Top Layer region: -0.254,0.508 0.254,0 -0.254,-0.508 0.508,-0.508 0.508,0.508
  Top Layer region: -0.508,-0.508 -0.508,0.508 0,0
  body extent -1,-0.63 1,0.63, height 0.75